# Altium PCB LPC4357_SDRAM_v0.2.PcbDoc (part 3 of 3)
Units mm, origin at the board's own origin, x right, y up, seen from the top; angles counter-clockwise.
Board outline 50 x 50 mm, 4 copper layers (Top Layer, Int1 (GND), Int2 (PWR), Bottom Layer), stack 1.57 mm thick; 82 components, 233 nets, 695 pads, 346 vias.
Unrouted connection lines stored in the file: 15.
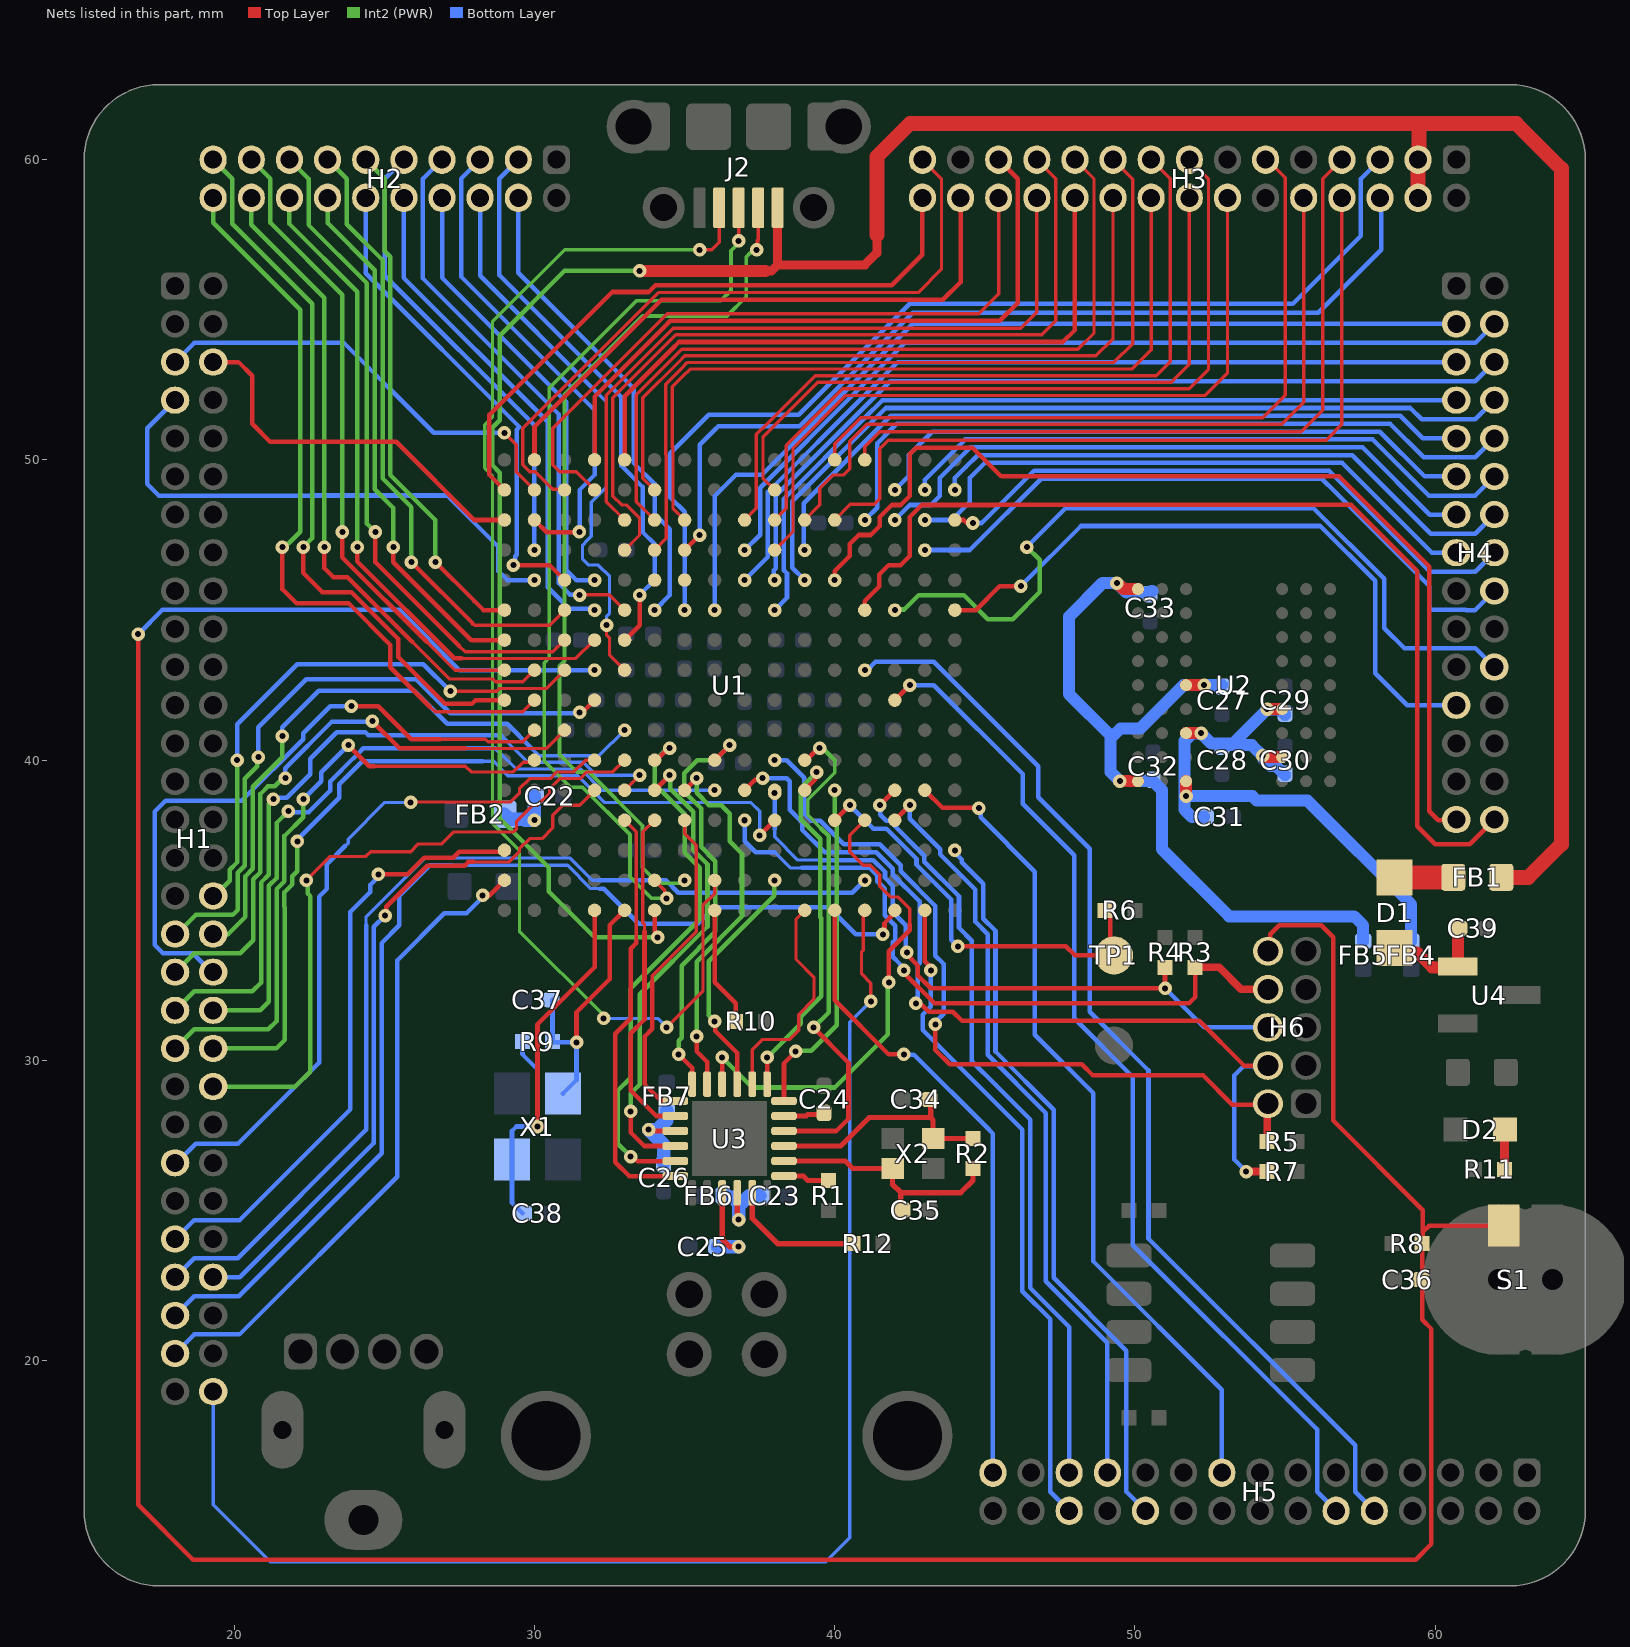
[diagram p5: the nets of this part, all layers, seen from the top]

## Via types
v1: diameter 0.45, hole 0.2, Top Layer to Bottom Layer, tented both sides, 257 vias
v2: diameter 0.45, hole 0.2, Top Layer to Bottom Layer, tented bottom, 71 vias
v3: diameter 0.5, hole 0.25, Top Layer to Bottom Layer, tented both sides, 13 vias
v4: diameter 0.5, hole 0.3, Top Layer to Bottom Layer, tented bottom, 4 vias
v5: diameter 0.45, hole 0.2, Top Layer to Bottom Layer, 1 vias

## Nets (pads, with @x,y where several pads share a name; then routed paths per layer and width w, separated by ;. In a path a pad name is that pad's centre, name@x,y a point inside that pad or via, vN(x,y) a via of type N, cw(c..) or ccw(c..) an arc to the next point about the centre after c; other vN are vias at no path point) (continued)
LCD_VD21: H1.7 U1.B12 | length 17.9
  Bottom Layer w0.15: H1.7@18.03,51.99 17.1,51.06 17.1,49.2 17.485,48.815 22.685,48.815
  Bottom Layer w0.152: 22.685,48.815 27.085,48.815 28.8,47.1 28.8,46.3 29.1,46 v2(30,46)
LCD_VD22: H1.6 U1.A14 | length 12.8
  Top Layer w0.15: H1.6@19.3,53.26 20.14,53.26 20.6,52.8 20.6,51.2 21.2,50.6 22.1,50.6
  Top Layer w0.152: 22.1,50.6 25.4,50.6 28,48 U1.A14@29,48
LCD_VD23: H1.5 U1.B15 | length 14.8
  Top Layer w0.11: v5(29,50.9) 29.39,50.51 29.39,49.61 U1.B15@30,49
  Bottom Layer w0.15: H1.5@18.03,53.26 18.665,53.895 23.655,53.895 26.475,51.075
  Bottom Layer w0.152: 26.475,51.075 26.65,50.9 v5(29,50.9)
NetC24_1: C24.1 U3.23 | length 1.3
  Top Layer w0.178: U3.23@38.31,28.15 39.05,28.15 39.1,28.2 C24.1@39.543,28.2
NetC25_1: C25.1 U3.15 | length 2.9
  Top Layer w0.178: U3.15@36.25,25.59 36.25,24.05 36.5,23.8 v1(36.8,23.8)
  Bottom Layer w0.45: C25.1@36.1,23.8 v1(36.8,23.8)
NetC39_1: C39.1 D1.2 U4.1 | length 3.7
  Top Layer w0.4: D1.2@58.644,33.75 58.794,33.6 59.4,33.6 59.9,33.1 60.726,33.1 U4.1@60.75,33.124 C39.1@60.75,34.4
NetD1_1: D1.1 FB1.2 | length 2
  Top Layer w0.8: D1.1@58.644,36.1 FB1.2@60.6,36.1
NetD2_2: D2.2 R11.2 | length 1.3
  Top Layer w0.3: R11.2@62.3,26.373 62.3,27.675 D2.2@62.325,27.7
NetR1_2: R1.2 U3.19 | length 1.6
  Top Layer w0.178: U3.19@38.31,26.15 38.95,26.15 39.1,26 R1.2@39.8,26
NetR10_2: R10.2 U1.H1 | length 4
  Top Layer w0.152: U1.H1@36,35 36,32.6 36.7,31.9 R10.2@36.7,31.3
P1_3: H5.25 U1.P5 | length 25.6
  Top Layer w0.152: v1(41.5,38.5) U1.P5@42,39
  Bottom Layer w0.15: 45.371,29.169 46.509,28.031 46.509,22.422 47.81,21.121 H5.25@47.81,16.27
  Bottom Layer w0.152: v1(41.5,38.5) 41.518,38.482 41.518,38.182 41.715,37.985 41.822,37.985 42.985,36.822 42.985,36.622 44.138,35.47 44.138,34.421 44.568,33.991 44.568,29.97 45.37,29.168
P1_4: H5.22 U1.T3 | length 24.6
  Bottom Layer w0.15: 49.715,16.584 49.715,15.635 H5.22@50.35,15
  Bottom Layer w0.152: v2(44,37) 44,36.919 44.227,36.692 44.227,36.603 44.948,35.881 44.948,34.723 45.354,34.317 45.354,30.296 47.294,28.356 47.294,22.758 49.715,20.336 49.715,16.584
P1_5: H5.17 U1.R5 | length 27.5
  Top Layer w0.152: U1.R5@43,39 43.589,38.411 v1@44.8,38.411
  Bottom Layer w0.15: 48.616,23.305 52.89,19.031 H5.17@52.89,16.27
  Bottom Layer w0.152: v1(44.8,38.4) 44.857,38.343 44.857,38.095 46.662,36.29 46.662,30.859 48.616,28.905 48.616,23.305
P2_3: H4.5 U1.J12 | length 28
  Bottom Layer w0.15: 41.028,52.186 42.102,53.26 H4.5@60.7,53.26
  Bottom Layer w0.152: v2(37,46) 37.776,46.776 37.776,48.934 41.028,52.186
P2_4: H4.7 U1.K11 | length 27.7
  Bottom Layer w0.15: 41,51.4 41.59,51.99 H4.7@60.7,51.99
  Bottom Layer w0.152: v2(38,45) 38.411,45.411 38.411,46.218 38.3,46.329 38.3,48.7 41,51.4
P2_5: H3.15 U1.K14 | length 25
  Top Layer w0.11: U1.K14@38,48 38.39,48.39 38.39,50.484 40.274,52.368 51.801,52.368 52.445,53.012 52.445,59.365 H3.15@51.81,60
P3_0: H3.19 U1.F13 | length 28.2
  Top Layer w0.11: U1.F13@34,47 34.39,47.39 34.39,50.162 34.373,50.179 34.373,52.527 34.871,53.025 35.094,53.248 49.3,53.248 49.925,53.873 49.925,59.345 H3.19@49.27,60
P3_1: H3.5 U1.G11 | length 34.2
  Bottom Layer w0.15: 55.26,55.2 57.525,57.465 57.525,59.365 H3.5@58.16,60
  Bottom Layer w0.152: v2(35,45) 35,48.269 34.521,48.748 34.521,50.221 35.8,51.5 38.8,51.5 42.5,55.2 55.26,55.2
P3_2: H2.4 U1.F11 | length 16
  Bottom Layer w0.15: H2.4@29.46,58.73 29.46,56.23 33.3,52.39 33.3,49.9 34,49.2 34,48.2 34.5,47.7 34.5,45.5
  Bottom Layer w0.152: v2(34,45) 34.5,45.5
P3_3: H2.5 U1.B14 | length 16.4
  Top Layer w0.15: U1.B14@30,48 30.41,47.59 31.475,47.59 v1(31.493,47.607)
  Bottom Layer w0.15: H2.5@28.19,60 27.555,59.365 27.555,56.109 32,51.664 32,49.5 31.5,49 31.5,47.615 v1(31.493,47.607)
P3_4: H3.30 U1.A15 | length 21.2
  Top Layer w0.152: U1.A15@29,49 28.5,49.5 28.5,51.5 32.593,55.593 33.807,55.593 34.03,55.816 41.9,55.816 42.92,56.836 H3.30@42.92,58.73
P3_5: H2.12 U1.C12 | length 16.3
  Top Layer w0.152: v1(29.3,46.5) 30.5,46.5 U1.C12@31,46
  Bottom Layer w0.15: H2.12@24.38,58.73 24.38,56.22 29.5,51.1 29.41,51.01 29.41,46.843 29.357,46.79 29.357,46.557 v1(29.3,46.5)
P3_6: H2.9 U1.B13 | length 15.3
  Bottom Layer w0.15: H2.9@25.65,60 25.015,59.365 25.015,56.135 30,51.15 v2(30,47)
P3_7: H2.13 U1.C11 | length 20.7
  Top Layer w0.11: 27.95,44.55 28.008,44.492 30.508,44.492 U1.C11@31,45
  Top Layer w0.15: v1(25.9,46.6) 27.95,44.55
  Int2 (PWR) w0.15: H2.13@23.11,60 23.745,59.365 23.745,57.855 24.94,56.66 24.94,49.392 25.9,48.432 v1(25.9,46.6)
P3_8: H2.15 U1.C10 | length 22.3
  Top Layer w0.11: 27.5,43.8 27.69,43.61 28.1,43.61 30.61,43.61 U1.C10@31,44
  Top Layer w0.15: v1(24.7,47.6) 24.7,46.6 27.5,43.8
  Int2 (PWR) w0.15: H2.15@21.84,60 22.475,59.365 22.475,57.825 24.42,55.88 24.42,47.88 v1(24.7,47.6)
P4_0: H1.54 U1.D5 | length 24.1
  Top Layer w0.11: 27.962,36.61 29.162,36.61 29.5,36.948 29.5,37.052 29.838,37.39 30.253,37.39 30.61,37.747 30.61,38.162 30.948,38.5 31.5,38.5 U1.D5@32,39
  Top Layer w0.15: v1(25.025,34.825) 25.063,34.863 25.063,35.123 26.43,36.49 27.68,36.49 27.8,36.61 27.962,36.61
  Bottom Layer w0.15: H1.54@19.3,22.78 20.18,22.78 24.65,27.25 24.65,34.45 v1(25.025,34.825)
P6_0: H4.29 U1.M12 | length 33.9
  Top Layer w0.15: 44.589,50.411 45.55,49.45 56.8,49.45 59.8,46.45 59.8,38.3 60.1,38 60.68,38 H4.29@60.7,38.02
  Top Layer w0.152: v2(40,46) 40,46.3 40.5,46.8 40.5,47.2 40.8,47.5 41.2,47.5 41.5,47.8 41.5,48.1 41.9,48.5 42.2,48.5 42.5,48.8 42.5,50.2 42.711,50.411 44.589,50.411
P6_1: H4.12 U1.R15 | length 20.9
  Bottom Layer w0.15: 44.035,50.365 44.353,50.683 57.917,50.683 59.785,48.815 61.335,48.815 H4.12@61.97,49.45
  Bottom Layer w0.152: v2(43,49) 43.003,49.003 43.003,49.333 44.035,50.365
P6_2: H4.9 U1.L13 | length 24.8
  Bottom Layer w0.152: v2(39,47) 38.964,47.036 38.964,48.564 41.866,51.466 58.834,51.466 59.58,50.72 60.66,50.72 60.68,50.7 H4.9@60.7,50.72
P6_3: H4.11 U1.P15 | length 20.5
  Bottom Layer w0.15: 59.65,49.45 H4.11@60.7,49.45
  Bottom Layer w0.152: v2(42,49) 42.474,49.474 42.474,50.174 43.244,50.944 58.156,50.944 59.65,49.45
P6_6: H3.10 U1.L14 | length 25.9
  Top Layer w0.11: U1.L14@39,48 39.5,48.5 39.5,49.052 39.948,49.5 40.3,49.5 40.5,49.7 40.5,50.618 41.067,51.186 54.886,51.186 55.62,51.92 H3.10@55.62,58.73
P6_7: H4.4 U1.J13 | length 29
  Bottom Layer w0.15: 40.721,52.279 42.337,53.895 61.335,53.895 H4.4@61.97,54.53
  Bottom Layer w0.152: v2(37,47) 37.514,47.514 37.514,49.072 40.721,52.279
P7_0: H3.28 U1.B16 | length 20.1
  Top Layer w0.152: U1.B16@30,50 30,51.104 34.007,55.111 34.23,55.334 43.6,55.334 44.19,55.924 H3.28@44.19,58.73
P7_6: H1.37 U1.C7 | length 20
  Top Layer w0.11: 27.7,40.39 30.407,40.39 30.508,40.492 U1.C7@31,41
  Top Layer w0.15: v1(24.6,41.3) 25.51,40.39 27.7,40.39
  Int2 (PWR) w0.15: H1.37@18.03,32.94 18.665,33.575 20.2,33.575 20.633,34.008 20.633,36.032 20.873,36.272 20.873,38.877 21.123,39.127 21.346,39.127 21.619,39.4 v1(21.7,39.4)
  Bottom Layer w0.15: v1(21.7,39.4) 21.702,39.402 21.702,39.734 23.241,41.273 24.573,41.273 v1(24.6,41.3)
P7_7: H1.41 U1.B6 | length 20.7
  Top Layer w0.11: 24.67,39.8 27.701,39.8 27.891,39.61 29.299,39.61 29.624,39.935 29.935,39.935 U1.B6@30,40
  Top Layer w0.15: v1(23.8,40.5) 24.5,39.8 24.67,39.8
  Int2 (PWR) w0.15: H1.41@18.03,30.4 18.665,31.035 21.135,31.035 21.413,31.313 21.413,35.709 21.673,35.969 21.673,37.477 22.3,38.104 v1(22.3,38.7)
  Bottom Layer w0.15: v1(22.3,38.7) 22.9,39.3 22.9,39.6 v1(23.8,40.5)
P8_0: H1.39 U1.E5 | length 24.2
  Top Layer w0.11: U1.E5@33,39 v1(33.5,39.5)
  Int2 (PWR) w0.15: H1.39@18.03,31.67 18.665,32.305 20.605,32.305 20.893,32.593 20.893,35.924 21.15,36.181 21.15,38.55 v1(21.3,38.7)
  Bottom Layer w0.11: 29.035,40.665 29.773,39.927 31.629,39.927 32.056,39.5 v1(33.5,39.5)
  Bottom Layer w0.15: v1(21.3,38.7) 21.354,38.754 21.75,38.754 22.53,39.534 22.53,40.046 23.411,40.927 24.369,40.927 24.469,40.827 28.873,40.827 29.035,40.665
P8_1: H1.40 U1.H5 | length 24.4
  Int2 (PWR) w0.15: H1.40@19.3,31.67 20.87,31.67 21.153,31.953 21.153,35.817 21.41,36.073 21.41,37.91 v1(21.8,38.3)
  Bottom Layer w0.11: 28.846,40.254 29.393,39.707 31.538,39.707 32.245,39 v2(36,39)
  Bottom Layer w0.15: v1(21.8,38.3) 21.827,38.273 22.477,38.273 23.193,38.989 23.193,39.293 23.973,40.073 23.977,40.073 24.227,40.323 24.227,40.327 24.3,40.4 28.7,40.4 28.846,40.254
P8_2: H1.42 U1.K4 | length 28.3
  Top Layer w0.152: v1(37.5,37.5) U1.K4@38,38
  Int2 (PWR) w0.15: H1.42@19.3,30.4 21.4,30.4 21.69,30.69 21.69,35.106 21.673,35.123 21.673,35.601 21.933,35.861 21.933,36.137 22.1,36.304 v1(22.1,37.3)
  Bottom Layer w0.11: 28.281,39.96 28.64,39.96 29.113,39.487 31.447,39.487 32.345,38.589 37.211,38.589 37.5,38.3 v1(37.5,37.5)
  Bottom Layer w0.15: v1(22.1,37.3) 22.1,37.352 23.5,38.752 23.5,39.2 24.26,39.96 28.281,39.96
PA_0: H4.8 U1.L12 | length 27.9
  Bottom Layer w0.15: 59.545,51.355 61.335,51.355 H4.8@61.97,51.99
  Bottom Layer w0.152: v2(39,46) 38.589,46.411 38.589,48.618 41.699,51.729 59.171,51.729 59.545,51.355
PA_1: H3.17 U1.J14 | length 24.8
  Top Layer w0.11: U1.J14@37,48 37.39,48.39 37.39,50.853 37.747,51.21 39.345,52.808 50.708,52.808 51.175,53.275 51.175,59.365 H3.17@50.54,60
PA_2: H3.16 U1.K15 | length 22.7
  Top Layer w0.11: U1.K15@38,49 37.61,49.39 37.61,50.762 39.436,52.588 51.208,52.588 51.81,53.19 H3.16@51.81,58.73
PA_3: H4.3 U1.H11 | length 30.9
  Bottom Layer w0.152: v2(36,45) 36,48.8 36.7,49.5 37.569,49.5 42.599,54.53 H4.3@60.7,54.53
PA_4: H3.6 U1.G13 | length 30.8
  Top Layer w0.152: U1.G13@35,47 v1(35.5,47.5)
  Bottom Layer w0.15: 36.038,51.038 36.114,51.114 38.814,51.114 42.6,54.9 56.1,54.9 58.2,57 58.2,58.69 H3.6@58.16,58.73
  Bottom Layer w0.152: v1(35.5,47.5) 35.5,50.5 36.038,51.038
PC_13: H5.29 U1.M1 | length 21.8
  Top Layer w0.15: H5.29@45.27,16.27 H5.29@45.27,16.67
  Top Layer w0.152: U1.M1@40,35 40,32.587 40,32 41.8,30.2 v1(42.3,30.2)
  Bottom Layer w0.15: 45.042,27.788 45.27,27.559 H5.29@45.27,16.27
  Bottom Layer w0.152: v1(42.3,30.2) 42.304,30.196 42.633,30.196 45.042,27.788
PC_14: H1.60 U1.N1 | length 47.4
  Top Layer w0.11: U1.N1@41,35 40.948,34.948 40.948,33.672 40.893,33.617 40.893,32.883 41.2,32.575 v1(41.2,31.971)
  Bottom Layer w0.11: H1.60@19.3,18.97 19.3,15.2 21.2,13.3 39.7,13.3 40.5,14.1 40.5,31.271 v1(41.2,31.971)
PD_0: H1.53 U1.N2 | length 33.6
  Bottom Layer w0.11: 24.39,34.501 24.39,34.79 26.34,36.74 31.186,36.74 31.926,36 32.148,36
  Bottom Layer w0.15: H1.53@18.03,22.78 18.665,23.415 20.115,23.415 24.39,27.69 24.39,34.501
  Bottom Layer w0.152: 32.148,36 34.381,36 34.792,35.589 40.589,35.589 v2(41,36)
PD_1: H1.55 U1.P1 | length 36.8
  Top Layer w0.152: v1(41.6,34.2) 41.657,34.257 41.657,34.576 42,34.919 U1.P1@42,35
  Bottom Layer w0.11: 27.267,36.5 31.1,36.5 31.876,35.724 32.179,35.724
  Bottom Layer w0.15: H1.55@18.03,21.51 18.665,22.145 20.145,22.145 24.91,26.91 24.91,33.91 25.5,34.5 25.5,35.486 26.514,36.5 27.267,36.5
  Bottom Layer w0.152: 32.179,35.724 32.305,35.724 33.478,34.551 35.44,34.551 35.989,35.1 39.8,35.1 40.7,34.2 v1(41.6,34.2)
PD_2: H5.26 U1.R1 | length 22.2
  Top Layer w0.15: U1.R1@43,35 43,33.3 43.143,33.157 43.143,33.057 v1(43.2,33)
  Bottom Layer w0.15: v1(43.2,33) 43.2,31.796 42.924,31.52 42.924,31.023 46.249,27.699 46.249,22.315 47.175,21.388 47.175,15.635 H5.26@47.81,15
PD_3: H5.23 U1.P4 | length 25.7
  Top Layer w0.152: U1.P4@42,38 v1(42.5,38.5) v1@42.5,38.55
  Bottom Layer w0.152: v1(42.5,38.5) 42.5,38.049 43.509,37.039 43.509,36.861 44.686,35.685 44.686,34.614 45.092,34.208 45.092,30.188 47.032,28.248 47.032,22.649 49.08,20.601 H5.23@49.08,16.27
PD_8: H5.12 U1.P8 | length 34.6
  Top Layer w0.152: U1.P8@42,42 v1(42.5,42.5) 42.5,42.55 v1@42.512,42.537
  Bottom Layer w0.15: 49.926,23.848 56.065,17.709 56.065,15.635 H5.12@56.7,15
  Bottom Layer w0.152: v1(42.5,42.5) 43.3,42.5 46.259,39.541 46.259,38.546 47.972,36.833 47.972,31.402 49.926,29.448 49.926,23.848
PD_9: H4.23 U1.T11 | length 22.3
  Top Layer w0.152: U1.T11@44,45 44.7,45 45.5,45.8 46.1,45.8 46.2,45.9 v1(46.2,45.8)
  Bottom Layer w0.15: 59.17,41.83 H4.23@60.7,41.83
  Bottom Layer w0.152: v1(46.2,45.8) 48.2,47.8 56.171,47.8 58,45.971 58,42.9 59.07,41.83 59.17,41.83
PD_10: H4.22 U1.P11 | length 26.8
  Int2 (PWR) w0.152: v2(42,45) 42,44.929 42.089,45.018 42.318,45.018 42.8,45.5 44.3,45.5 45.1,44.7 45.924,44.7 46.828,45.604 46.828,46.672 v1(46.4,47.1)
  Bottom Layer w0.15: 58.3,44.4 58.965,43.735 61.335,43.735 H4.22@61.97,43.1
  Bottom Layer w0.152: v1(46.4,47.1) 47.7,48.4 55.941,48.4 58.3,46.041 58.3,44.4
PD_11: H5.10 U1.N9 | length 36.8
  Bottom Layer w0.15: 50.451,24.065 57.335,17.181 57.335,15.635 H5.10@57.97,15
  Bottom Layer w0.152: v2(41,43) 41.081,43 41.358,43.277 43.302,43.277 46.784,39.795 46.784,38.763 48.497,37.05 48.497,31.619 50.451,29.665 50.451,24.065
PD_12: H4.30 U1.N11 | length 33.6
  Top Layer w0.15: 45.304,48.5 57.2,48.5 59.4,46.3 59.4,37.8 60,37.2 61.15,37.2 H4.30@61.97,38.02
  Top Layer w0.152: U1.N11@41,45 41,45.3 41.485,45.785 41.485,46.185 41.8,46.5 42.2,46.5 42.5,46.8 42.5,48.1 42.9,48.5 45.304,48.5
PD_13: H4.16 U1.T14 | length 20.4
  Top Layer w0.152: U1.T14@44,48 44.3,48 44.4,47.9 v1(44.6,47.9)
  Bottom Layer w0.15: 59.825,46.275 61.335,46.275 H4.16@61.97,46.91
  Bottom Layer w0.152: v1(44.6,47.9) 44.9,47.9 46.638,49.638 56.462,49.638 59.825,46.275
PD_14: H4.18 U1.R13 | length 22.4
  Bottom Layer w0.15: 56.7,48.9 59.8,45.8 59.8,45.093 59.888,45.005 61.013,45.005 61.018,45 61.33,45 H4.18@61.97,45.64
  Bottom Layer w0.152: v2(43,47) 44.5,47 46.876,49.376 56.224,49.376 56.7,48.9
PD_15: H4.14 U1.T15 | length 20
  Bottom Layer w0.15: 44.363,49.763 44.761,50.161 57.239,50.161 59.855,47.545 61.335,47.545 H4.14@61.97,48.18
  Bottom Layer w0.152: v2(44,49) 44,49.4 44.363,49.763
PD_16: H4.15 U1.R14 | length 20.2
  Bottom Layer w0.152: v2(43,48) 43.9,48 44.5,48.6 44.5,49.4 45,49.9 56.9,49.9 59.89,46.91 H4.15@60.7,46.91
PE_0: H4.13 U1.P14 | length 21
  Bottom Layer w0.152: v2(42,48) 42.5,48.5 43.2,48.5 43.5,48.8 43.5,49.4 44.522,50.422 57.578,50.422 59.82,48.18 H4.13@60.7,48.18
PE_1: H4.10 U1.N14 | length 24.3
  Bottom Layer w0.15: 41.881,51.019 42.067,51.205 58.495,51.205 59.615,50.085 61.335,50.085 H4.10@61.97,50.72
  Bottom Layer w0.152: v2(41,48) 41.411,48.411 41.411,50.549 41.881,51.019
PE_2: H3.8 U1.M14 | length 26.7
  Top Layer w0.11: U1.M14@40,48 40.521,48.521 41.321,48.521 41.5,48.7 41.5,50.37 41.782,50.652 56.366,50.652 56.43,50.716 56.43,50.73 56.89,51.19 H3.8@56.89,58.73
PE_3: H4.6 U1.K12 | length 28.6
  Bottom Layer w0.15: 41.165,51.935 41.854,52.625 61.335,52.625 H4.6@61.97,53.26
  Bottom Layer w0.152: v2(38,46) 37.976,46.024 37.976,46.324 38.038,46.386 38.038,48.809 41.165,51.935
PE_4: H3.14 U1.K13 | length 25
  Top Layer w0.11: U1.K13@38,47 38.61,47.61 38.61,50.393 40.365,52.148 52.348,52.148 53.08,52.88 H3.14@53.08,58.73
PE_5: H3.7 U1.N16 | length 24.8
  Top Layer w0.11: U1.N16@41,50 41,50.439 41.496,50.935 55.535,50.935 56.255,51.655 56.255,59.365 H3.7@56.89,60
PE_6: H3.11 U1.M16 | length 24.3
  Top Layer w0.11: U1.M16@40,50 40,50.536 40.87,51.406 54.249,51.406 55,52.157 55,59.4 54.4,60 H3.11@54.35,60
PE_7: H3.20 U1.F15 | length 24.4
  Top Layer w0.11: U1.F15@34,49 33.61,49.39 33.61,52.075 34.78,53.245 35.003,53.468 48.7,53.468 49.27,54.038 H3.20@49.27,58.73
PE_8: H3.21 U1.F14 | length 26.6
  Top Layer w0.11: U1.F14@34,48 33.39,48.61 33.39,52.166 34.689,53.465 34.912,53.688 48.1,53.688 48.635,54.223 48.635,59.365 H3.21@48,60
PE_9: H3.22 U1.E16 | length 22.4
  Top Layer w0.152: U1.E16@33,50 33,52.117 34.589,53.706 34.812,53.929 47.6,53.929 48,54.329 H3.22@48,58.73
PE_10: H3.24 U1.E14 | length 23.7
  Top Layer w0.11: U1.E14@33,48 32.39,48.61 32.39,52.159 34.398,54.167 34.621,54.39 45.6,54.39 46.2,54.39 46.73,54.92 H3.24@46.73,58.73
PE_11: H3.25 U1.D16 | length 22.5
  Top Layer w0.15: H3.25@45.46,60 46.095,59.365 46.095,55.226 45.5,54.631
  Top Layer w0.152: U1.D16@32,50 32,52.11 34.298,54.408 34.521,54.631 45.5,54.631
PE_12: H3.26 U1.D15 | length 22.9
  Top Layer w0.11: U1.D15@32,49 31.39,49.61 30.838,49.61 30.61,49.838 30.61,51.062 31.759,52.21 34.198,54.649 34.421,54.872 44.8,54.872 45.46,55.532 H3.26@45.46,58.73
PE_13: H3.18 U1.G14 | length 26.1
  Top Layer w0.11: U1.G14@35,48 34.61,48.39 34.61,50.413 34.593,50.43 34.593,52.436 34.962,52.805 35.185,53.028 49.9,53.028 50.54,53.668 H3.18@50.54,58.73
PE_14: H3.29 U1.C15 | length 23
  Top Layer w0.11: U1.C15@31,49 30.979,49.021 30.61,49.021 30.021,49.61 29.838,49.61 29.61,49.838 29.61,51.055 29.759,51.204 33.907,55.352 34.13,55.575 34.205,55.575 42.775,55.575 43.555,56.355 43.555,59.365 H3.29@42.92,60
PE_15: H3.23 U1.E13 | length 27.2
  Top Layer w0.11: U1.E13@33,47 33.5,47.5 33.5,48.052 33.052,48.5 32.9,48.5 32.61,48.79 32.61,52.068 34.489,53.947 34.712,54.17 45.691,54.17 46.9,54.17 47.365,54.635 47.365,59.365 H3.23@46.73,60
PF_0: H2.8 U1.D12 | length 15.2
  Bottom Layer w0.15: H2.8@26.92,58.73 26.92,56.07 31.06,51.93 31.06,46.328 31.388,46 v2(32,46)
PF_1: H2.7 U1.E11 | length 18.8
  Top Layer w0.11: v1(31.5,45.5) 31.507,45.507 32.493,45.507 U1.E11@33,45
  Bottom Layer w0.15: H2.7@26.92,60 26.285,59.365 26.285,56.045 30.8,51.53 30.8,45.9 31.182,45.518 31.482,45.518 v1(31.5,45.5)
PF_2: H2.10 U1.D11 | length 16.9
  Bottom Layer w0.15: H2.10@25.65,58.73 25.65,56.06 30.44,51.27 30.44,45.76 31.157,45.043 32.043,45.043 v2(32,45)
PF_3: H2.3 U1.E10 | length 18.8
  Top Layer w0.152: U1.E10@33,44 33.5,44.5 v1(33.5,45.5)
  Bottom Layer w0.15: H2.3@29.46,60 28.825,59.365 28.825,56.159 32.897,52.087 32.897,49.803 33.6,49.1 33.6,47.6 34,47.2 34,46 v1(33.5,45.5)
PF_4: H2.16 U1.D10 | length 22.5
  Top Layer w0.11: 27.571,43.39 28.1,43.39 31.378,43.39 31.988,44 U1.D10@32,44
  Top Layer w0.15: v1(24.1,47.1) 24.1,46.62 27.33,43.39 27.571,43.39
  Int2 (PWR) w0.15: H2.16@21.84,58.73 21.84,57.86 24.1,55.6 v1(24.1,47.1)
PF_5: H2.6 U1.E9 | length 18.6
  Top Layer w0.11: v1@32.4,44.408 32.4,44.166 32.5,44.066 32.5,43.5 U1.E9@33,43
  Bottom Layer w0.11: 32.05,52.274 32.4,51.924 32.4,49.1 31.89,48.59 31.89,47.453 31.765,47.328 31.6,47.163 31.6,46.7 31.8,46.5 32.129,46.5 32.5,46.129 32.5,44.9 32.4,44.8 v1(32.4,44.5)
  Bottom Layer w0.15: H2.6@28.19,58.73 28.19,56.134 32.05,52.274
PF_6: H1.36 U1.E7 | length 21.3
  Int2 (PWR) w0.15: H1.36@19.3,34.21 19.8,34.21 20.373,34.783 20.373,36.14 20.613,36.38 20.613,39.113 21.6,40.1 v1(21.6,40.8)
  Bottom Layer w0.11: 29.899,40.401 30.153,40.147 32.147,40.147 v2(33,41)
  Bottom Layer w0.15: v1(21.6,40.8) 21.6,41.1 22.81,42.31 26,42.31 27.1,41.21 29.09,41.21 29.899,40.401
PF_7: H1.38 U1.B7 | length 21.6
  Top Layer w0.11: 26.86,40.7 28.362,40.7 28.452,40.61 29.61,40.61 U1.B7@30,41
  Top Layer w0.15: v1(23.9,41.8) 24.8,41.8 25.9,40.7 26.86,40.7
  Bottom Layer w0.15: H1.38@19.3,32.94 19.25,32.94 18.615,33.575 17.625,33.575 17.345,33.855 17.345,38.283 17.717,38.655 20.255,38.655 22.3,40.7 22.3,40.9 23.2,41.8 v1(23.9,41.8)
PF_8: H1.44 U1.E6 | length 22.4
  Top Layer w0.11: v2(22.4,36) 23.193,36.793 24.382,36.793 24.542,36.953 25.875,36.953 26.132,37.21 26.91,37.21 27.31,37.61 29.31,37.61 29.4,37.7 29.4,37.952 29.948,38.5 30.1,38.5 30.5,38.9 30.5,39.052 30.838,39.39 31.527,39.39 31.747,39.61 32.61,39.61 U1.E6@33,40
  Int2 (PWR) w0.15: H1.44@19.3,29.13 22.03,29.13 22.527,29.627 22.527,35.477 22.454,35.55 22.454,35.946 v2(22.4,36)
PF_9: H1.47 U1.D6 | length 23.4
  Top Layer w0.11: v1(25.871,38.593) 25.888,38.61 29.21,38.61 29.5,38.9 29.5,39.052 29.838,39.39 30.527,39.39 30.747,39.61 31.31,39.61 31.7,40 U1.D6@32,40
  Bottom Layer w0.11: 23.7,37.148 23.793,37.241 23.793,37.369 25.017,38.593 v1(25.871,38.593)
  Bottom Layer w0.15: H1.47@18.03,26.59 18.08,26.59 18.715,27.225 20.125,27.225 22.83,29.93 22.83,35.458 23.087,35.715 23.087,36.535 23.7,37.148
PF_10: H1.51 U1.A3 | length 20.4
  Top Layer w0.15: v1(24.8,36.2) 25.773,36.2 26.323,36.75 27.291,36.75 27.491,36.95 28.95,36.95 U1.A3@29,37
  Bottom Layer w0.15: H1.51@18.03,24.05 18.665,24.685 20.185,24.685 23.87,28.37 23.87,34.952 24.527,35.609 24.527,35.846 24.782,36.101 v1@24.782,36.2
PF_11: H1.57 U1.A2 | length 21.7
  Top Layer w0.15: v1@28.269,35.431 28.326,35.489 28.489,35.489 U1.A2@29,36
  Bottom Layer w0.15: H1.57@18.03,20.24 18.665,20.875 20.175,20.875 25.43,26.13 25.43,33.33 27,34.9 27.738,34.9 v1@28.269,35.431
  other v1: 28.269,35.5
REFCLK: C34.1 R2.2 U3.21 X2.3 | length 7.9
  Top Layer w0.178: U3.21@38.31,27.15 40.2,27.15 41.15,28.1 43.192,28.1 43.203,28.089 ; C34.1@43.203,28.7 43.203,28.089 ; R2.2@44.603,27.4 X2.3@43.275,27.4 43.275,28.017 43.203,28.089
RESET: C36.1 H6.10 R8.1 S1.2 U1.D9 | length 116.8
  Top Layer w0.15: v1(16.8,44.2) 16.8,15.2 18.627,13.373 59.348,13.373 59.875,13.9 59.875,21.055 59.565,21.365 C36.1@59.565,22.7 ; H6.10@54.43,33.64 54.46,33.64 54.5,33.6 54.5,34.2 54.8,34.5 56.2,34.5 56.6,34.1 56.6,28 59.589,25.011 59.589,24.289
  Top Layer w0.152: C36.1@59.565,22.7 R8.1@59.565,23.9 59.589,23.924 59.589,24.289 59.8,24.5 S1.2@62.275,24.5
  Bottom Layer w0.15: v1(16.8,44.2) 17.605,45.005 21.8,45.005
  Bottom Layer w0.152: 21.8,45.005 25.495,45.005 27.5,43 v2(32,43)
RTC_ALARM: H2.11 U1.A11 | length 17.3
  Top Layer w0.15: v1(26.7,46.6) 28,45.3 28.3,45 U1.A11@29,45
  Int2 (PWR) w0.15: H2.11@24.38,60 25.015,59.365 25.015,56.953 25.2,56.768 25.2,49.5 26.7,48 v1(26.7,46.6)
RTCX1: H2.19 U1.A8 | length 24.2
  Top Layer w0.15: v1(22.3,47.1) 22.3,46.236 22.936,45.6 23.9,45.6 25.462,44.038 25.462,43.434 27.023,41.873 27.907,41.873 28.034,42 28.1,42 U1.A8@29,42
  Int2 (PWR) w0.15: H2.19@19.3,60 19.935,59.365 19.935,57.865 22.6,55.2 22.6,47.4 v1(22.3,47.1)
RTCX2: H2.20 U1.B8 | length 25.2
  Top Layer w0.11: 26.516,41.784 26.69,41.61 28.1,41.61 29.61,41.61 U1.B8@30,42
  Top Layer w0.15: v1(21.6,47.1) 21.6,45.7 22.08,45.22 23.82,45.22 25.2,43.839 25.2,43.1 26.516,41.784
  Int2 (PWR) w0.15: H2.20@19.3,58.73 19.3,57.9 22.2,55 22.2,47.604 21.816,47.22 21.801,47.22 21.681,47.1 v1(21.6,47.1)
SAMPLE: H2.18 U1.B9 | length 22.1
  Top Layer w0.11: 25.93,43.937 27.161,42.707 28.603,42.707 28.7,42.61 29.61,42.61 U1.B9@30,43
  Top Layer w0.15: v1(23,47.1) 23,46.4 23.3,46.1 23.768,46.1 25.93,43.937
  Int2 (PWR) w0.15: H2.18@20.57,58.73 20.57,57.83 23,55.4 v1(23,47.1)
TCK: H6.4 R7.2 U1.J5 | length 29.6
  Top Layer w0.152: U1.J5@37,39 37.343,39.343 37.543,39.343 v1(37.6,39.4) ; 42.919,31.843 43.134,31.628 43.93,31.628 44.237,31.321 52.139,31.321 53.63,29.83 H6.4@54.43,29.83
  Top Layer w0.254: v1(53.7,26.3) R7.2@54.4,26.3
  Bottom Layer w0.152: v1(37.6,39.4) 38.4,39.4 38.5,39.3 38.5,38.347 38.911,37.936 38.911,37.689 39.664,36.936 41.388,36.936 41.936,36.388 41.936,36.188 42.828,35.295 42.828,33.234 42.772,33.177 42.772,32.138 42.757,32.123 42.757,31.957 v1(42.7,31.9) ; v1(53.7,26.3) 53.3,26.7 53.3,29.5 53.6,29.8 54.4,29.8 H6.4@54.43,29.83
TDI: H6.8 R3.1 U1.J4 | length 23.2
  Top Layer w0.152: v1(42.3,33) 42.3,32.923 43.323,31.9 51.8,31.9 52,32.1 R3.1@52,33.1
  Top Layer w0.254: R3.1@52,33.1 52.8,33.1 53.53,32.37 H6.8@54.43,32.37
  Bottom Layer w0.11: 38,36.935 38.524,36.411 38.9,36.411
  Bottom Layer w0.152: v2(37,38) 37,37.3 37.365,36.935 38,36.935 ; 38.9,36.411 41.17,36.411 41.411,36.17 41.411,35.97 41.667,35.715 41.667,34.833 42.011,34.489 42.011,34.008 41.934,33.931 41.934,33.451 42.174,33.211 42.174,33.206 42.3,33.081 v1(42.3,33)
TDO: H6.6 R4.1 U1.K5 | length 22.6
  Top Layer w0.152: v1(42.4,33.6) 42.4,33.531 42.772,33.159 42.772,32.823 43.194,32.4 v1(51,32.4) R4.1@51,33.1
  Bottom Layer w0.11: 38,37.7 38,37.448 38.775,36.674 39.6,36.674
  Bottom Layer w0.152: 38,37.7 v2(38,38.9) ; 39.6,36.674 41.279,36.674 41.674,36.279 41.674,36.079 41.929,35.823 41.929,34.942 42.362,34.509 42.362,34 42.362,33.637 v1(42.4,33.6) ; v1(51,32.4) 52.3,31.1 H6.6@54.43,31.1
TMS: H6.2 R5.1 U1.K6 | length 26.3
  Top Layer w0.152: v1(43.351,31.2) 43.351,30.349 43.826,29.874 48.226,29.874 48.6,29.5 52.272,29.5 53.242,28.53 54.4,28.53 H6.2@54.43,28.56
  Top Layer w0.254: R5.1@54.4,27.3 H6.2@54.4,28.53
  Bottom Layer w0.152: v2(38,40) 38.4,40 38.989,39.411 38.989,38.23 39.23,37.989 39.511,37.989 40.302,37.198 41.496,37.198 42.198,36.496 42.198,36.296 43.351,35.144 43.351,33.489 43.628,33.212 43.628,31.558 43.351,31.281 v1(43.351,31.2)
TRST: R6.1 TP1.1 U1.M4 | length 14.1
  Top Layer w0.152: U1.M4@40,38 v1(40.5,38.5) ; v1(44.1,33.8) 47.7,33.8 48,33.5 TP1.1@49.3,33.5 49.174,33.626 49.174,34.826 R6.1@49,35
  Bottom Layer w0.152: v1(40.5,38.5) 41.277,37.723 41.714,37.723 42.723,36.714 42.723,36.514 43.876,35.361 43.876,34.024 v1(44.1,33.8)
ULPI_CLKOUT: U1.L1 U3.2 | length 7.5
  Top Layer w0.11: U3.2@37.25,29.21 37.25,30.35 37.6,30.7 38.5,30.7 38.8,31 38.8,31.524 39.307,32.031 39.307,32.769 38.71,33.366 38.71,33.776 38.71,34.71 U1.L1@39,35
ULPI_D0: U1.N4 U3.4 | length 16.3
  Top Layer w0.11: U1.N4@41,38 40.5,37.5 40.5,36.948 40.948,36.5 41.189,36.5 41.5,36.189 41.5,35.8 41.855,35.445 42.107,35.445 42.5,35.052 42.5,34.532
  Top Layer w0.152: U3.4@36.25,29.21 36.25,30.05 v1@36.3,30.1 ; v1(41.8,32.6) 41.8,33.641 42.5,34.341 42.5,34.532
  Int2 (PWR) w0.152: v1(36.25,30.1) 37.25,29.1 40,29.1 41.772,30.872 41.772,32.572 v1(41.8,32.6)
ULPI_D1: U1.G5 U3.5 | length 12.4
  Top Layer w0.152: U1.G5@35,39 v1(35.4,39.4) ; v1(35.4,30.8) 35.4,30.3 35.75,29.95 U3.5@35.75,29.21
  Int2 (PWR) w0.152: v1(35.4,30.8) 35.4,33.288 36.911,34.799 36.911,36.889 36.5,37.3 36.5,38.217 36.217,38.5 35.811,38.5 35.4,38.912 v1(35.4,39.4)
ULPI_D2: U1.H6 U3.6 | length 14.1
  Top Layer w0.152: v1(34.8,30.2) 35.25,29.75 U3.6@35.25,29.21 ; U1.H6@36,40 v1(36.5,40.5)
  Int2 (PWR) w0.152: v1(34.8,30.2) 34.8,30.66 34.9,30.76 34.9,33.159 36.024,34.283 36.024,36.639 35.549,37.114 35.549,38.392 34.989,38.952 34.989,39.57 35.419,40 36,40 v1(36.5,40.5)
ULPI_D3: U1.G4 U3.7 | length 10.9
  Top Layer w0.11: 33.926,32.626 33.926,32.826 35.39,34.29 35.39,37.162 35,37.552 U1.G4@35,38
  Top Layer w0.152: 33.926,32.626 33.926,31.053 33.672,30.8 33.672,29.198 34.22,28.65 U3.7@34.69,28.65
ULPI_D4: U1.F4 U3.8 | length 11.2
  Top Layer w0.11: 33.664,34.3 33.664,34.536 33.61,34.59 33.61,37.61 U1.F4@34,38
  Top Layer w0.152: 33.664,34.3 33.664,31.364 33.2,30.9 33.2,29 34.05,28.15 U3.8@34.69,28.15
ULPI_D5: U1.F5 U3.10 | length 15.9
  Top Layer w0.152: v1(33.2,28.3) 33.2,27.6 33.65,27.15 U3.10@34.69,27.15 ; U1.F5@34,39 v1(34.5,39.5)
  Int2 (PWR) w0.152: v1(33.2,28.3) 33.2,28.9 33.5,29.2 33.5,32.2 35.762,34.462 35.762,36.53 35.287,37.006 35.287,38.284 34.727,38.844 34.524,39.047 34.524,39.476 v1(34.5,39.5)
ULPI_D6: U1.F6 U3.11 | length 18
  Top Layer w0.152: v1(33.2,26.8) 33.281,26.8 33.431,26.65 U3.11@34.69,26.65 ; U1.F6@34,40 34.05,40 34.45,40.4 v1(34.5,40.4)
  Int2 (PWR) w0.152: v1(33.2,26.8) 32.772,27.228 32.772,29.001 33.2,29.429 33.2,32.4 35.5,34.7 35.5,36.422 35,36.922 35,38.2 34,39.2 34,40 34.128,40.128 34.147,40.128 34.419,40.4 v1(34.5,40.4)
ULPI_D7: U1.E4 U3.12 | length 14
  Top Layer w0.11: U1.E4@33,38 33.39,37.61 33.39,34
  Top Layer w0.152: 33.39,34 33.39,33.91 33.2,33.72 33.2,31.4 32.689,30.889 32.689,26.611 33.15,26.15 U3.12@34.69,26.15
ULPI_DIR: U1.L5 U3.1 | length 12.4
  Top Layer w0.152: U3.1@37.75,29.21 v1(37.75,30.1) ; U1.L5@39,39 39.343,39.343 39.343,39.543 v1(39.4,39.6)
  Int2 (PWR) w0.152: v1(37.75,30.1) 38.872,31.222 38.872,31.46 39.545,32.133 39.545,34.744 39.518,34.771 39.518,37.382 38.869,38.031 38.869,39.069 v1(39.4,39.6)
ULPI_NXT: U1.K2 U3.3 | length 8.1
  Top Layer w0.152: v1(36,31.3) 36.018,31.282 36.018,30.982 36.75,30.25 U3.3@36.75,29.21
  Int2 (PWR) w0.152: v1(36,31.3) 35.8,31.5 35.8,33.3 37.982,35.482 37.982,35.982 v2(38,36)
ULPI_RESET: U1.L6 U3.22 | length 17.1
  Top Layer w0.152: U3.22@38.31,27.65 40.05,27.65 40.459,28.059 40.459,29.929 39.288,31.1 v1(39.3,31.1) ; U1.L6@39,40 39.05,40 39.45,40.4 v1(39.5,40.4)
  Int2 (PWR) w0.11: 39.533,37.738 39.11,38.161 39.11,38.691 40,39.582 40,40
  Int2 (PWR) w0.152: v1(39.3,31.1) 39.807,31.607 39.807,37.464 39.533,37.738 ; v1(39.5,40.4) 39.5,40.5 40,40
ULPI_STP: U1.M5 U3.24 | length 11.4
  Top Layer w0.152: U3.24@38.31,28.65 38.31,29.91 v1(38.7,30.3)
  Int2 (PWR) w0.152: v1(38.7,30.3) 38.718,30.318 39.218,30.318 40.072,31.172 40.072,31.406 40.069,31.408 40.069,38.031 40,38.1 v2(40,39)
USB0_D_N: J2.2 U1.G2 | length 29.6
  Top Layer w0.127: v1(37.4,57) 37.427,57.027 37.427,57.307 37.453,57.333 37.453,58.503 J2.2@37.45,58.505
  Int2 (PWR) w0.127: v2(35,36) 34.9,35.9 34.117,35.9 33.6,36.417 33.6,37.817 31.81,39.607 31.41,39.607 30.833,40.184 30.833,43.133 31,43.3 31,52.19 33.603,54.793 36.41,54.793 37.053,55.436 37.053,56.76 37.18,56.887 37.199,56.887 37.313,57 v1(37.4,57)
USB0_D_P: J2.3 U1.F2 | length 30.3
  Top Layer w0.127: U1.F2@34,36 34.338,35.662 34.338,35.462 v1(34.4,35.4) ; v1(36.8,57.3) J2.3@36.8,58.4
  Int2 (PWR) w0.127: v1(34.4,35.4) 33.9,35.4 33.18,36.12 33.18,37.52 31.6,39.1 31.2,39.1 30.326,39.974 30.326,43.243 30.493,43.41 30.493,52.4 33.393,55.3 36.2,55.3 36.546,55.646 36.546,56.97 36.8,57.224 v1(36.8,57.3)
USB0_ID: J2.4 U1.H2 | length 42.5
  Top Layer w0.11: v1(34.4,31.1) 35.61,32.31 35.61,35.162 36,35.552 U1.H2@36,36 ; v1(35.5,57) 35.9,57 36.15,57.25 J2.4@36.15,58.4
  Int2 (PWR) w0.11: v1(32.3,31.4) 32.3,31.5 29.5,34.3 29.5,37 28.6,37.9 28.6,49.477 28.348,49.73 28.348,51.17 28.6,51.423 28.6,54.6 31,57 v1(35.5,57)
  Bottom Layer w0.11: v1(32.3,31.4) 34.1,31.4 v1(34.4,31.1)
USB0_VBUS: FB1.1 H3.3 H3.4 J2.1 U1.F1 | length 94.7
  Top Layer w0.152: U1.F1@34,35 34,34.281 34.1,34.181 v1(34.1,34.1)
  Top Layer w0.3: 37.7,56.3 37.9,56.3 38.1,56.5 ; J2.1@38.1,58.4 38.1,56.5 ; 41.4,57.5 41.4,56.9 41,56.5 38.1,56.5
  Top Layer w0.4: v1(33.5,56.3) 37.7,56.3
  Top Layer w0.5: 41.4,57.5 41.4,60.1 42.5,61.2 59.456,61.2 ; H3.4@59.43,58.73 H3.3@59.43,60 59.456,60.026 59.456,61.2 ; FB1.1@62.2,36.1 63.1,36.1 64.2,37.2 64.2,59.7 62.7,61.2 59.456,61.2
  Int2 (PWR) w0.152: v1(33.5,56.3) 31,56.3 28.841,54.141 28.841,51.323 28.589,51.07 28.589,49.83 28.841,49.577 28.841,38.059 30.474,36.426 30.474,35.626 32,34.1 v1(34.1,34.1)
USB1_DM: U1.G12
USB1_DP: U1.F12
VBAT: C23.1 FB6.2 U3.16 | length 2.9
  Top Layer w0.178: U3.16@36.75,25.59 36.75,24.75 v1(36.8,24.7)
  Bottom Layer w0.45: FB6.2@36.275,25.5 36.275,25.475 36.3,25.45 36.586,25.45 36.8,25.236 36.8,25.15 ; v1(36.8,24.7) 36.8,25.15 ; C23.1@37.5,25.5 37.15,25.5 36.8,25.15
VBUS: R12.2 U3.17 | length 4.5
  Top Layer w0.178: U3.17@37.25,25.59 37.25,24.75 38.1,23.9 R12.2@40.6,23.9
VDD: C27.1 C32.1 C33.1 FB5.1 U2.A9 U2.E7 U2.J9 | length 27.6
  Top Layer w0.4: v1(49.4,45.9) 49.414,45.9 49.614,45.7 U2.J9@50.1,45.7 ; v1(49.5,39.3) U2.A9@50.1,39.3 ; U2.E7@51.7,42.5 v1@52.2,42.5
  Bottom Layer w0.4: C33.1@50.585,45.634 50.55,45.634 50.5,45.584 49.716,45.584 v1(49.4,45.9) 48.919,45.9 47.8,44.781 47.8,42.2 49.191,40.809 ; C27.1@52.9,42.5 v1(52.3,42.5) 51.616,42.5 50.168,41.052 49.515,41.052 49.271,40.809 49.191,40.809 ; FB5.1@57.6,33.975 57.6,34.5 57.3,34.8 53.139,34.8 50.9,37.039 50.9,39 50.6,39.3 v1(49.5,39.3) 49.191,39.609 49.191,40.809
VDDA: C22.1 FB2.2 U1.B4 | length 1.9
  Bottom Layer w0.45: FB2.2@29,38.2 29.172,38.028 29.672,38.028 29.7,38 v2(30,38) C22.1@30,38.8
VDDIO: C26.1 FB7.2 U3.9 | length 3.3
  Top Layer w0.178: v1(33.8,27.7) 33.85,27.65 U3.9@34.69,27.65
  Bottom Layer w0.45: C26.1@34.3,26.6 34.3,27.2 v1(33.8,27.7) 34.1,27.7 34.4,28 FB7.2@34.4,28.325
VDDQ: C28.1 C29.1 C30.1 C31.1 FB4.1 U2.A7 U2.B3 U2.C7 U2.D3 | length 22.3
  Top Layer w0.4: v1(51.7,38.8) U2.A7@51.7,39.3 ; U2.C7@51.7,40.9 v1(52.2,40.9) ; v1(54.253,40.142) 54.266,40.142 54.308,40.1 54.33,40.1 U2.B3@54.9,40.1 ; v1(54.4,41.7) U2.D3@54.9,41.7
  Bottom Layer w0.4: C31.1@52.3,38.119 52.281,38.1 51.9,38.1 51.648,38.352 v1@51.648,38.852 ; v1@54.39,41.71 v1(54.4,41.7) ; C30.1@55,39.5 54.7,39.8 54.512,39.8 54.262,40.05 54.262,40.132 v1(54.253,40.142) 53.895,40.5 C28.1@52.9,40.5 ; C29.1@55,41.5 54.81,41.69 54.41,41.69 v1(54.4,41.7) ; FB4.1@59.2,33.975 59.2,35.2 55.746,38.654 54.054,38.654 53.907,38.8 v1(51.7,38.8) v1@51.648,38.852 ; v1@51.648,38.852 51.648,40.641 51.898,40.89 52.19,40.89 v1(52.2,40.9) 52.55,40.55 52.85,40.55 C28.1@52.9,40.5 ; C28.1@52.9,40.5 52.95,40.55 53.25,40.55 v1(54.4,41.7)
WAKEUP0: H2.17 U1.A9 | length 21.5
  Top Layer w0.11: 26.409,43.943 27.352,43 28.1,43 U1.A9@29,43
  Top Layer w0.15: v1(23.6,47.6) 23.6,46.752 26.409,43.943
  Int2 (PWR) w0.15: H2.17@20.57,60 21.205,59.365 21.205,57.895 23.6,55.5 v1(23.6,47.6)
WAKEUP1: H2.14 U1.A10 | length 17.8
  Top Layer w0.15: v1(25.3,47.1) 25.3,46.596 27.896,44 28.1,44 U1.A10@29,44
  Int2 (PWR) w0.15: H2.14@23.11,58.73 23.11,57.89 24.68,56.32 24.68,49.02 25.3,48.4 v1(25.3,47.1)
WAKEUP2: H1.34 U1.C9 | length 18.5
  Top Layer w0.11: v1(27.2,42.3) 28.748,42.3 28.838,42.39 30.407,42.39 30.508,42.492 U1.C9@31,43
  Int2 (PWR) w0.15: H1.34@19.3,35.48 19.35,35.48 19.853,35.983 19.853,36.355 20.093,36.595 20.093,39.993 v1(20.1,40)
  Bottom Layer w0.15: v1(20.1,40) 20.1,41.2 22.1,43.2 26.3,43.2 v1(27.2,42.3)
WAKEUP3: H1.35 U1.D8 | length 21.1
  Top Layer w0.152: v1@31.62,41.62 U1.D8@32,42
  Int2 (PWR) w0.15: H1.35@18.03,34.21 18.08,34.21 18.715,34.845 19.945,34.845 20.113,35.013 20.113,36.247 20.353,36.487 20.353,39.383 20.767,39.797 20.767,40.067 v1(20.8,40.1)
  Bottom Layer w0.152: v1(20.8,40.1) 20.8,41.1 22.4,42.7 26.063,42.7 27.2,41.563 v1@31.463,41.563
  other v1: 31.5,41.595
XO: C35.1 R2.1 U3.20 X2.1 | length 8.2
  Top Layer w0.178: U3.20@38.31,26.65 40.35,26.65 40.6,26.4 X2.1@41.925,26.4 41.925,25.875 42.203,25.597 ; C35.1@42.203,25.019 42.203,25.597 ; R2.1@44.603,26.4 44.603,26.003 44.197,25.597 42.203,25.597
XTAL1: C38.1 R9.1 U1.D1 X1.1 | length 14.8
  Top Layer w0.152: v1(30.1,27.8) 30.1,31.2 32,33.1 U1.D1@32,35
  Bottom Layer w0.152: C38.1@29.6,24.911 29.25,25.261 X1.1@29.25,26.7 29.25,27.65 29.4,27.8 v1(30.1,27.8) 30.1,29.7 29.6,30.2 R9.1@29.6,30.63
XTAL2: C37.1 R9.2 U1.E1 X1.3 | length 9.2
  Top Layer w0.152: v1(31.4,30.6) 31.4,31.6 32.5,32.7 32.5,34.5 U1.E1@33,35
  Bottom Layer w0.152: C37.1@30.6,32.019 R9.2@30.6,30.63 30.63,30.6 v1(31.4,30.6) 31.4,29.35 X1.3@30.95,28.9
pads on no net: H6.7 S1.1 S1.6 S1.7 U2.E2

## Polygon pours and split planes (outlines as drawn)
3V3 on Top Layer "Vcc" (solid, pour order 6): 61.4,28.5 61.6,28.7 61.6,32.2 61.4,32.4 57.4,32.4 57.2,32.2 57.2,28.7 57.4,28.5
3V3 on Int2 (PWR) "Vcc" (solid, remove dead copper, pour order 0): 15,62.5 15,12.5 65,12.5 65,62.5
GND on Int1 (GND) "GND" (solid, pour order 2): 15,62.5 15,12.5 65,12.5 65,62.5
3V3 on Bottom Layer "Vcc" (solid, remove dead copper, pour order 4): 15,62.5 15,12.5 65,12.5 65,62.5

## Keep-outs
Keep-Out Layer:
  the board outline again, w0.762

## Silkscreen, mask and mechanical layers (free items; w line width, h text height)
Board Outline:
  the board outline again, w0.1

## Text inside footprints (layer, text, board x,y; h text height)
H6: Mechanical 15 "J1" at 55.573,30.603 h0.76 r90
J2: Mechanical 15 "PCB Edge" at 38.901,62.81 h1 r180